# Altium PCB 平衡小车主板PCB.PcbDoc
Units mm, origin at the board's own origin, x right, y up, seen from the top; angles counter-clockwise.
Board outline 71 x 49 mm, 4 copper layers (Top Layer, Layer 1, Layer 2, Bottom Layer), stack 0.603 mm thick; 86 components, 78 nets, 348 pads, 99 vias.
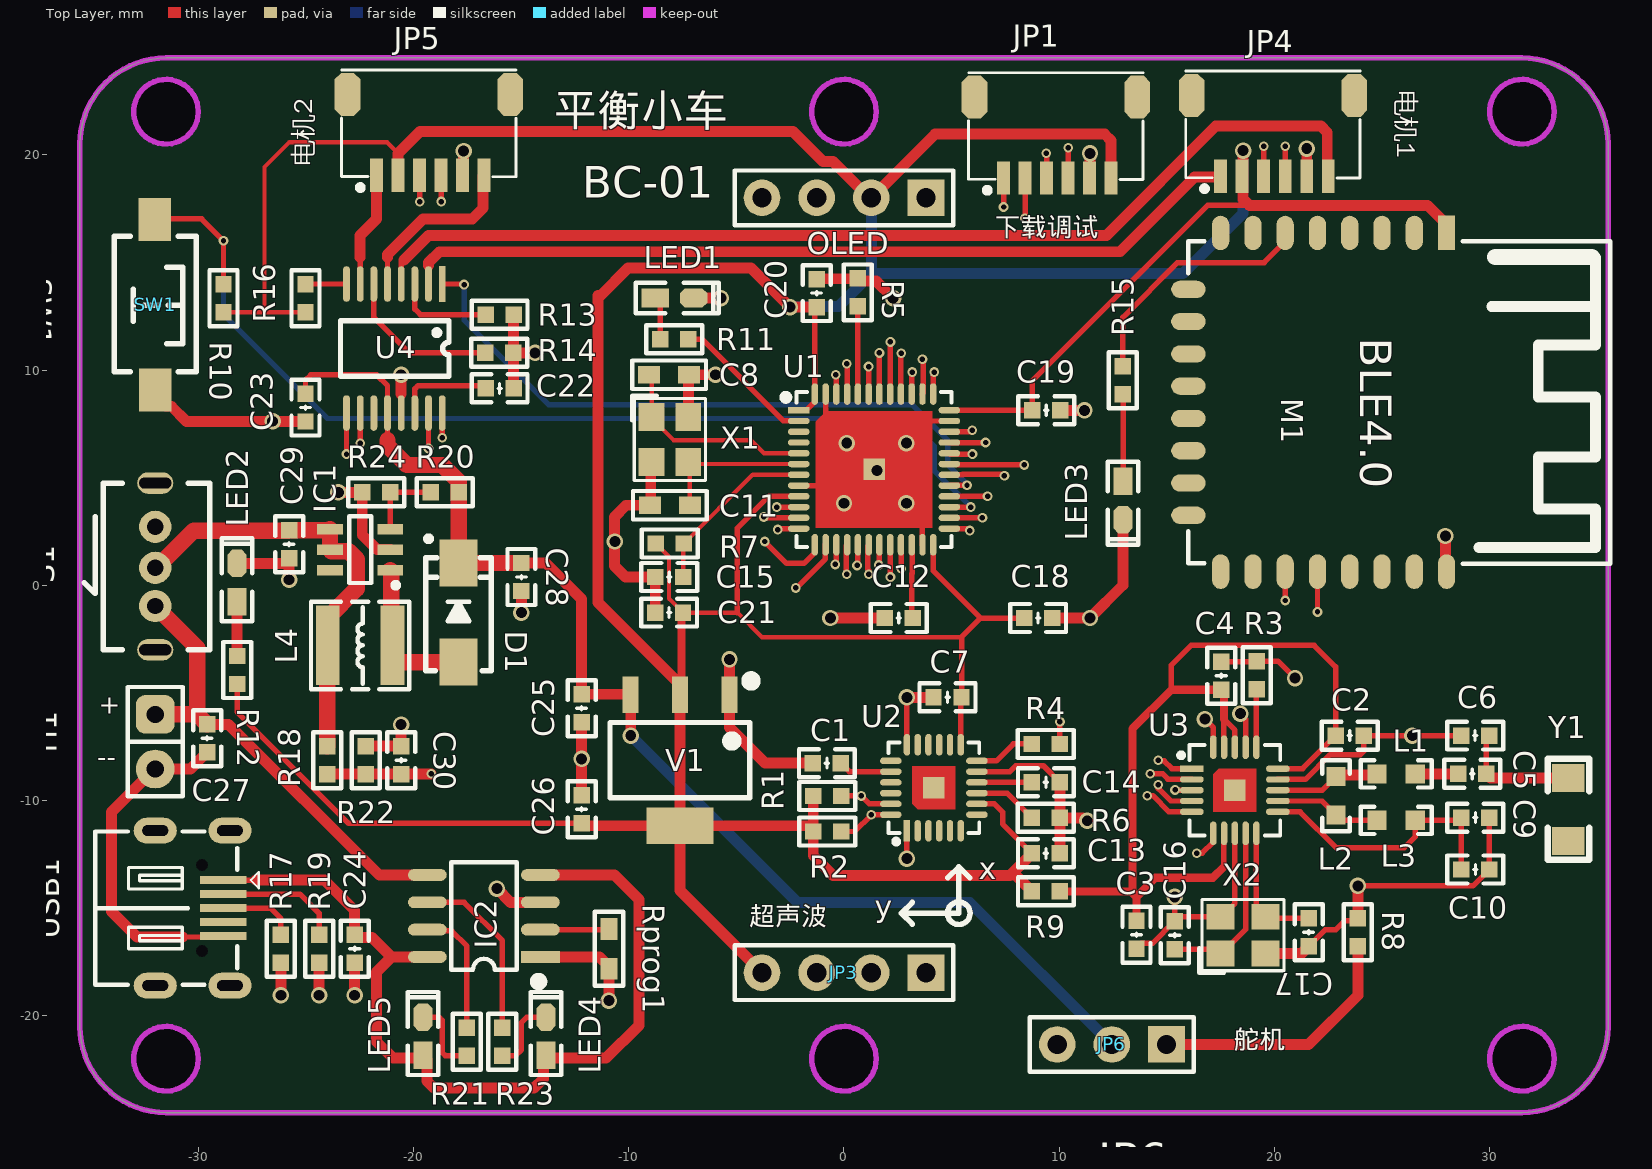
[diagram p0: Top Layer view]
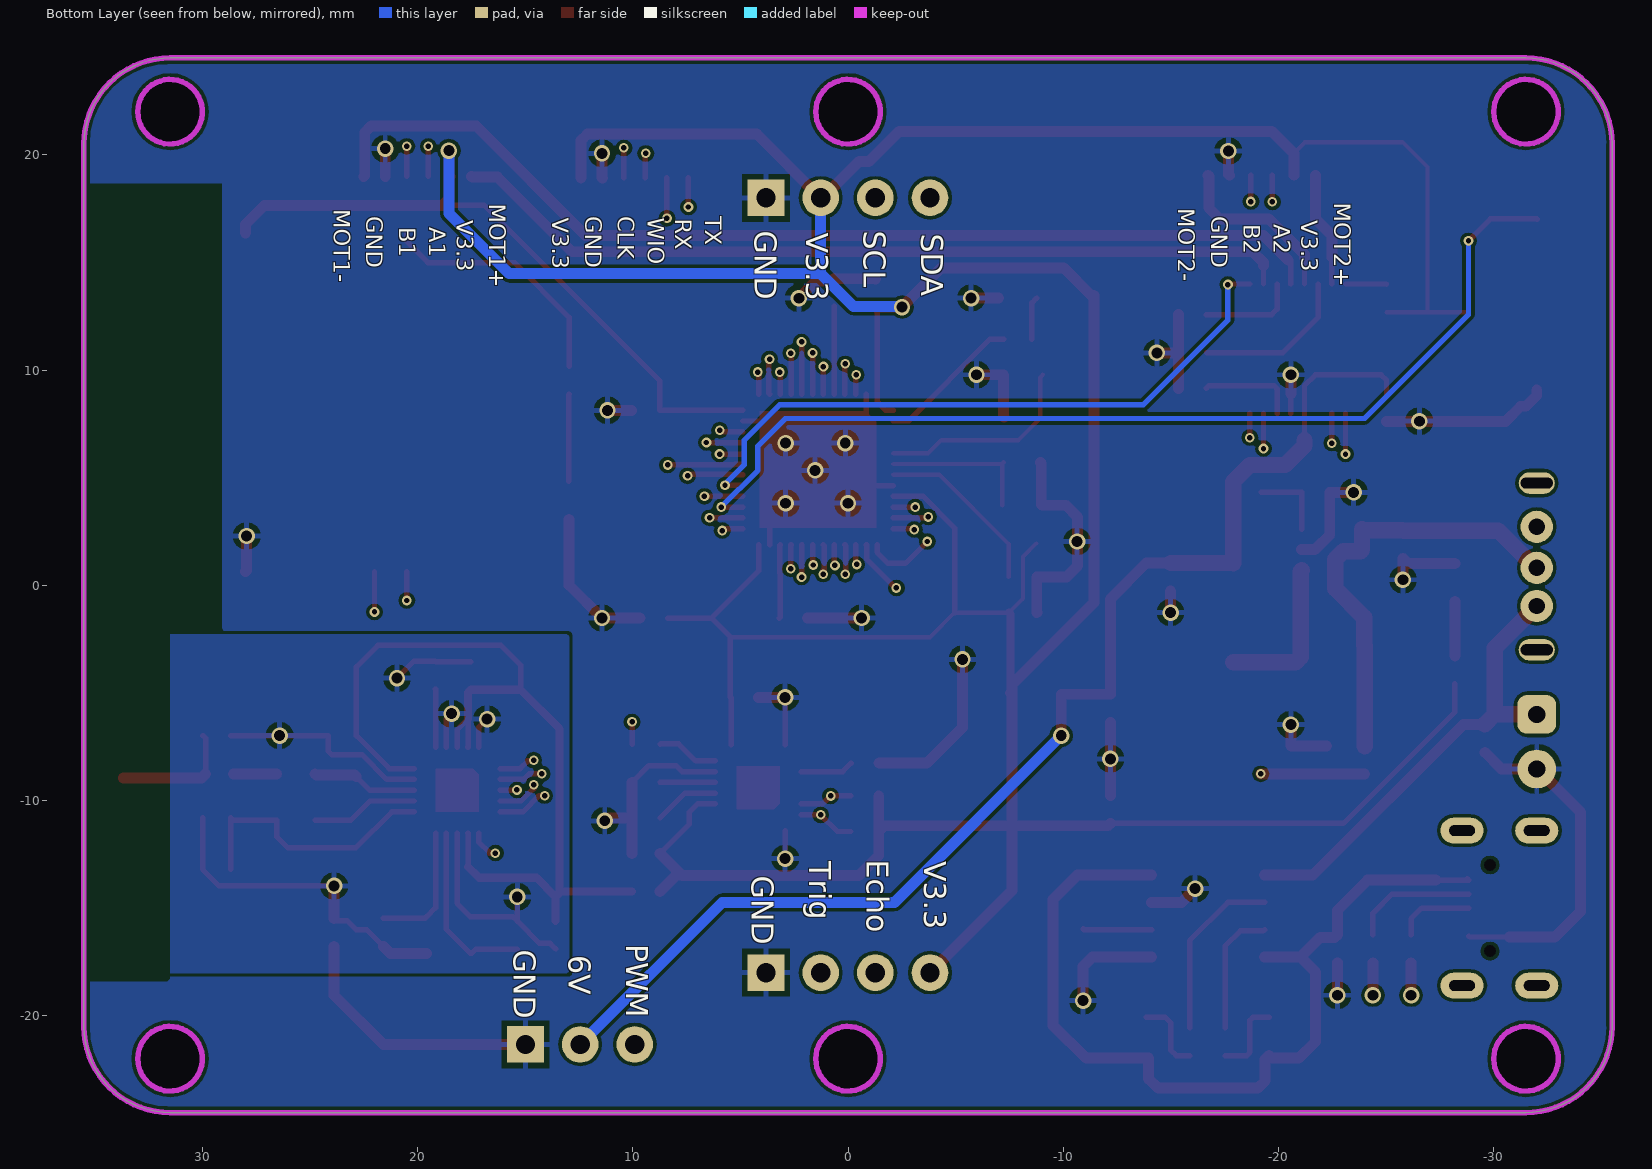
[diagram p1: Bottom Layer view, seen from below]
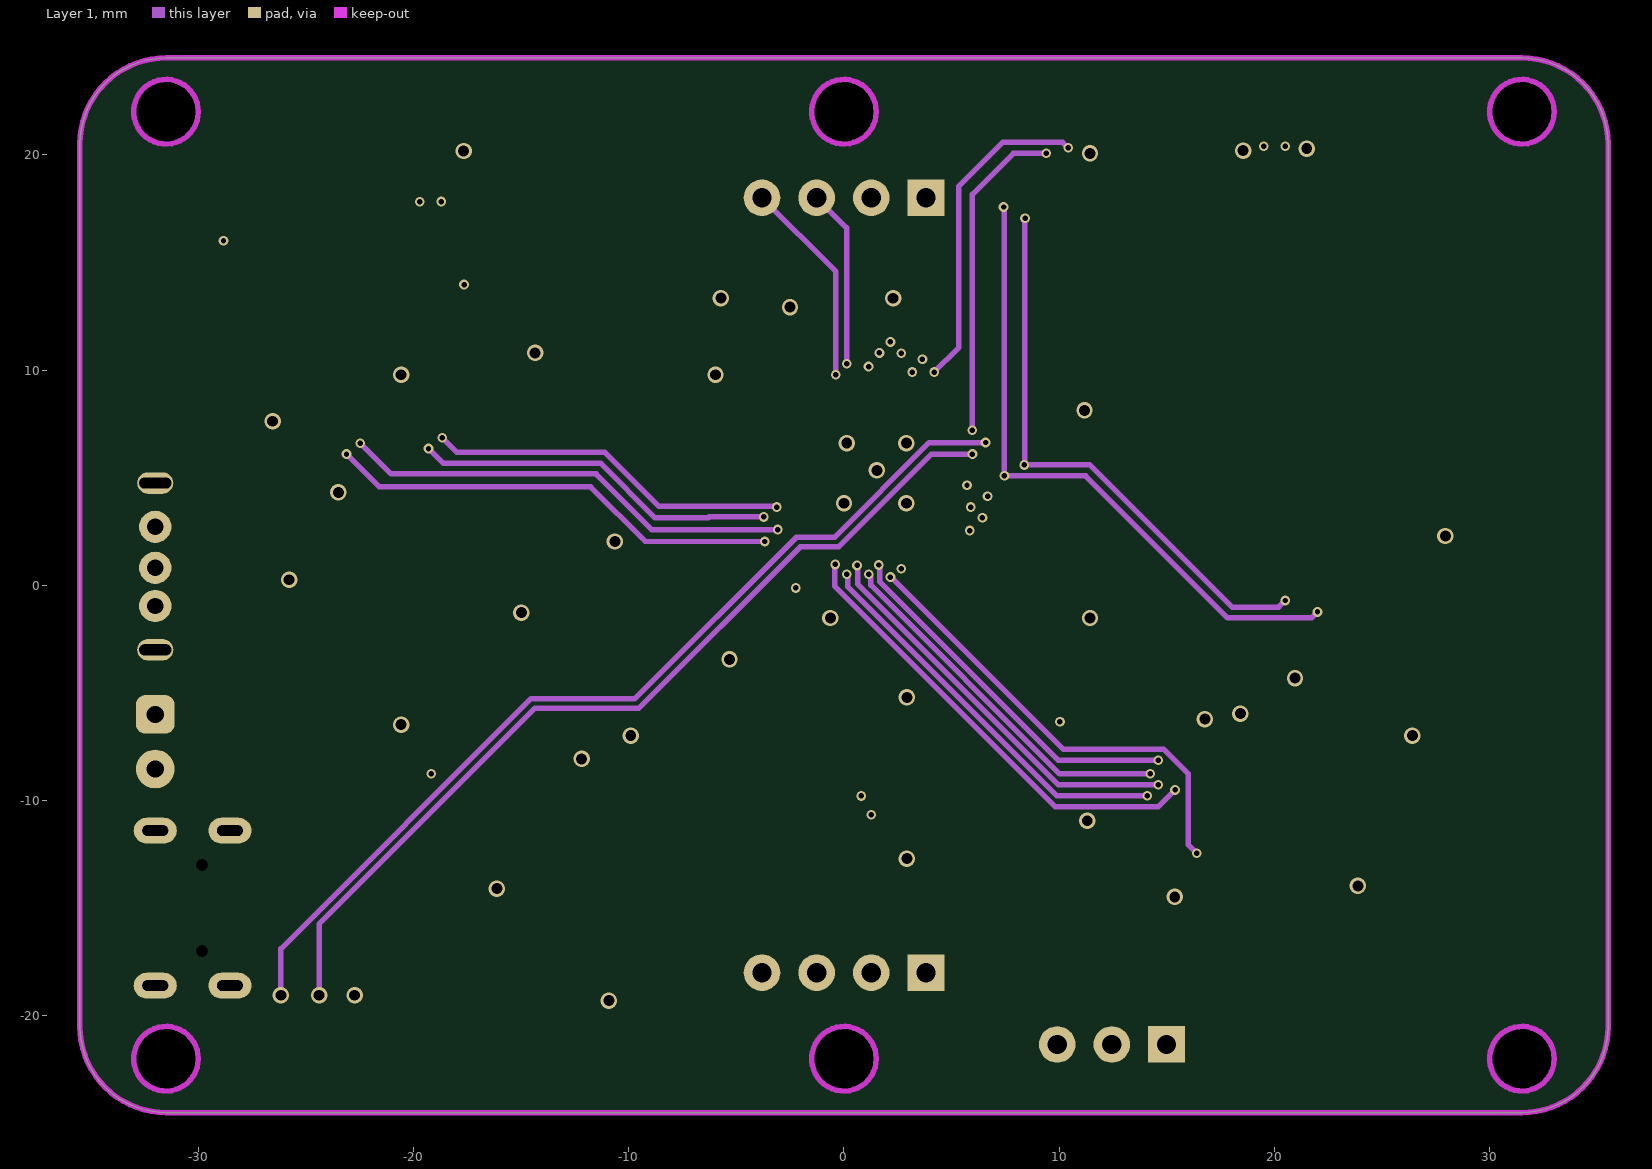
[diagram p2: Layer 1]
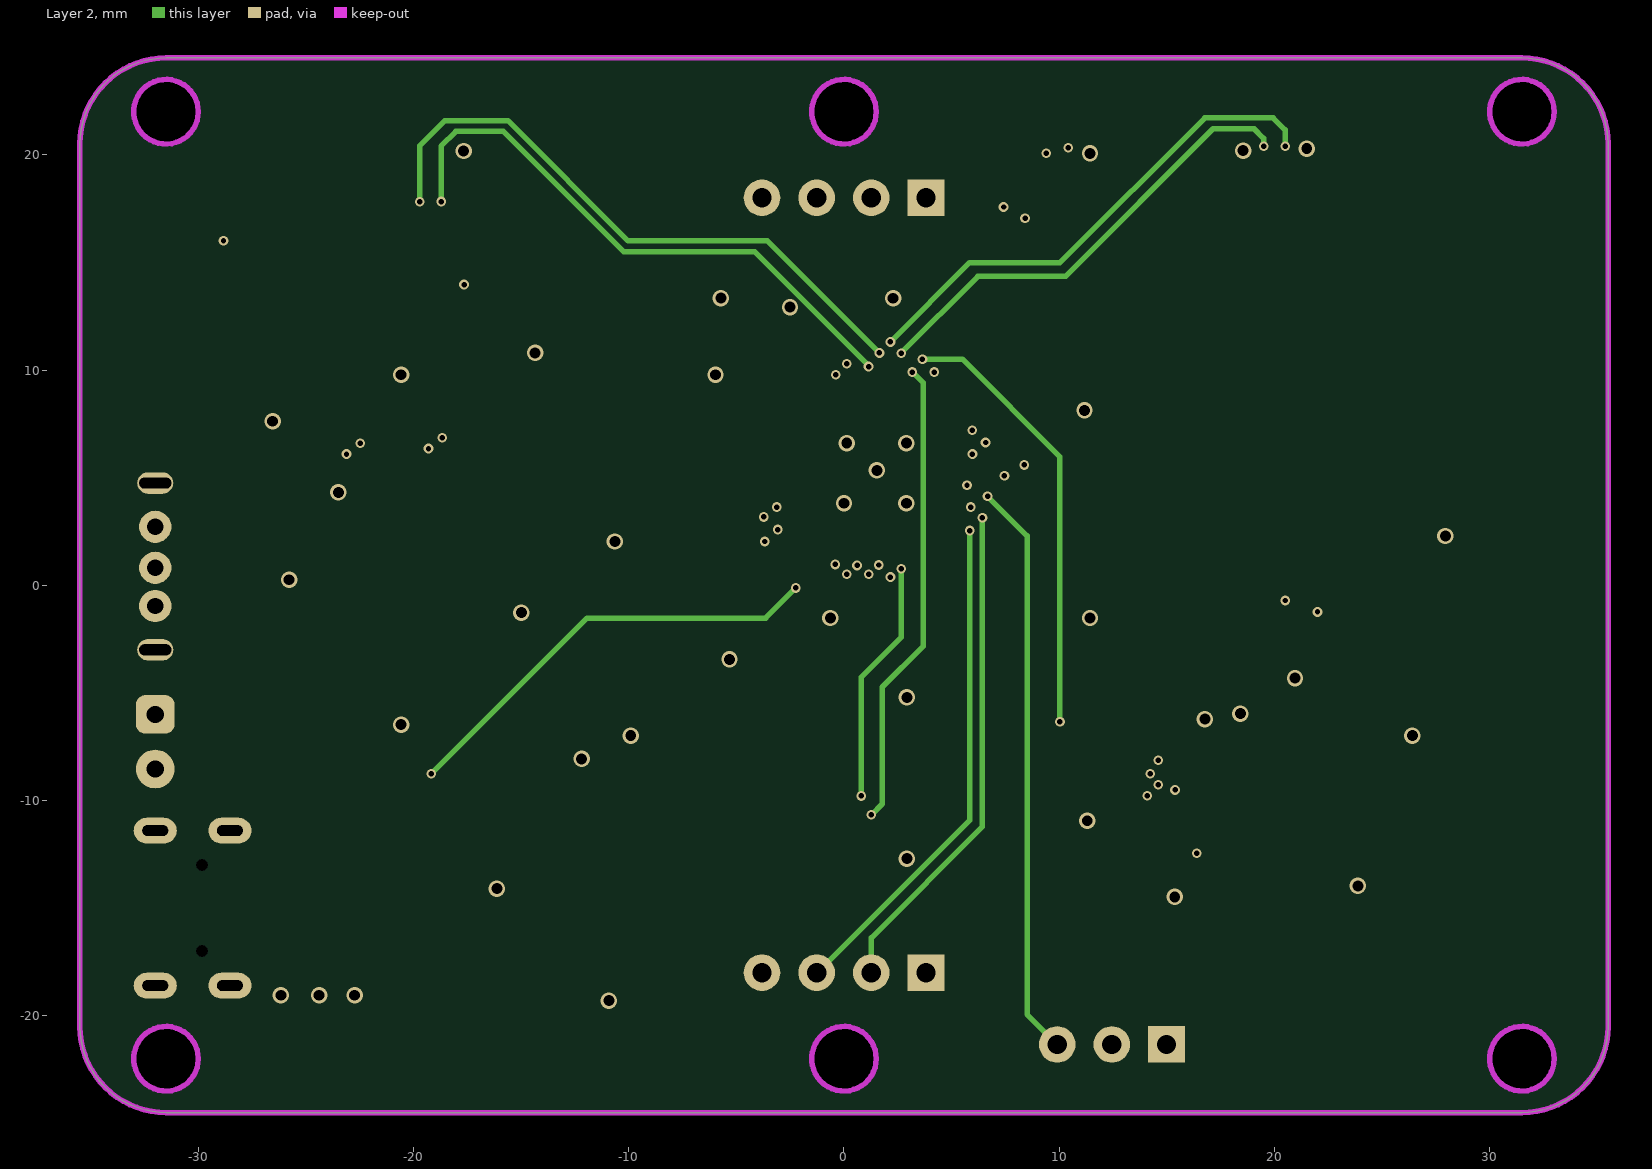
[diagram p3: Layer 2]

## Layer stack, top to bottom
Top Solder: solder mask 0.0102, Solder Resist, Dk 3.5
Top Layer: signal copper 0.0356
Dielectric 2: prepreg 0.0711, PP-006, Dk 4.1
Layer 1: signal copper 0.035
Dielectric 1: dielectric 0.32, FR-4, Dk 4.8
Layer 2: signal copper 0.035
Dielectric 3: prepreg 0.0711, PP-006, Dk 4.1
Bottom Layer: signal copper 0.0356
Bottom Solder: solder mask 0.0102, Solder Resist, Dk 3.5

## Board outline
-35.5,-20.513 ccw(c-31.5,-20.5) -31.487,-24.5 31.487,-24.5 ccw(c31.5,-20.5) 35.5,-20.513 35.5,20.513 ccw(c31.5,20.5) 31.487,24.5 -31.487,24.5 ccw(c-31.5,20.5) -35.5,20.513
cut-out: -33,22 ccw(c-31.5,22) -31.5,20.5 ccw(c-31.5,22) -30,22 ccw(c-31.5,22) -31.5,23.5 ccw(c-31.5,22)
cut-out: -1.5,22 ccw(c0,22) 0,20.5 ccw(c0,22) 1.5,22 ccw(c0,22) 0,23.5 ccw(c0,22)
cut-out: 30,22 ccw(c31.5,22) 31.5,20.5 ccw(c31.5,22) 33,22 ccw(c31.5,22) 31.5,23.5 ccw(c31.5,22)
cut-out: 30,-22 ccw(c31.5,-22) 31.5,-23.5 ccw(c31.5,-22) 33,-22 ccw(c31.5,-22) 31.5,-20.5 ccw(c31.5,-22)
cut-out: -1.5,-22 ccw(c0,-22) 0,-23.5 ccw(c0,-22) 1.5,-22 ccw(c0,-22) 0,-20.5 ccw(c0,-22)
cut-out: -33,-22 ccw(c-31.5,-22) -31.5,-23.5 ccw(c-31.5,-22) -30,-22 ccw(c-31.5,-22) -31.5,-20.5 ccw(c-31.5,-22)

## Design rules (kind name [scope] priority, off if disabled: settings)
Clearance [All] p1: gap=0.152 ignorepadtopadclearanceinfootprint=TRUE except(0: Arc-Hole Track-Hole SMDPad-Hole THPad-Hole Via-Hole Fill-Hole Poly-Hole Region-Hole Text-Hole)
MinimumSolderMaskSliver [All] p1: minsoldermaskwidth=0.025
PolygonConnect [All] p1: connectstyle=Relief reliefconductorwidth=0.254 reliefentries=4 polygonreliefangle="90 Angle" airgapwidth=0.254
RoutingVias [All] p1: holewidth=0.711 width=1.27 viastyle="Through Hole" minholewidth=0.254 minwidth=0.711 maxholewidth=1.27 maxwidth=2.54
SilkToSilkClearance [All] p1: silktosilkclearance=0.152
SilkToSolderMaskClearance [IsPad] p1: minsilkscreentomaskgap=0 clearancetoexposedcopper=TRUE
SolderMaskExpansion [All] p1: expansion=0.102 istentingtop=FALSE
Width [All] p1: maxlimit=2.54 minlimit=0.203 preferedwidth=0.254
27 further rules are at their usual default settings.

## Components (designator, comment, footprint, x,y, rotation, side; value= is the part's Value field where it differs from the comment)
C1 "2.2nF" "C 0603_L" -0.793,-8.267 r0 top
C2 "C_0603" "C 0603_L" 23.495,-6.985 r0 top value=4.7uF
C3 "C_0603" "C 0603_L" 13.589,-16.241 r270 top value=0.1uF
C4 "C_0603" "C 0603_L" 17.526,-4.206 r90 top value=1nF
C5 "C_0603" "C 0603_L" 29.195,-8.763 r0 top value=1.5pF
C6 "C_0603" "C 0603_L" 29.322,-6.985 r0 top value=1pF
C7 "0.1uF" "C 0603_L" 4.811,-5.207 r180 top
C8 "20pF" "R 0603_M" -8.128,9.779 r0 top
C9 "C_0603" "C 0603_L" 29.337,-10.795 r180 top value=2.2nF
C10 "C_0603" "C 0603_L" 29.337,-13.208 r180 top value=4.7pF
C11 "20pF" "R 0603_M" -8.089,3.717 r180 top
C12 "4.7uF" "C 0603_L" 2.54,-1.524 r180 top
C13 "10nF" "C 0603_L" 9.382,-12.458 r180 top
C14 "0.1uF" "C 0603_L" 9.382,-9.156 r180 top
C15 "104" "C 0603_L" -8.113,0.381 r0 top
C16 "C_0603" "C 0603_L" 15.367,-16.256 r270 top value=10pF
C17 "C_0603" "C 0603_L" 21.59,-16.129 r90 top value=10pF
C18 "104" "C 0603_L" 9.017,-1.524 r180 top
C19 "104" "C 0603_L" 9.398,8.128 r180 top
C20 "104" "C 0603_L" -1.27,13.574 r270 top
C21 "104" "C 0603_L" -8.128,-1.27 r0 top
C22 "2.2uF" "C 0603_L" -16.002,9.144 r180 top
C23 "10uF" "C 0603_L" -25.019,8.255 r270 top
C24 "10uF" "C 0603_L" -22.733,-16.891 r90 top
C25 "10uF" "C 0603_L" -12.192,-5.715 r90 top
C26 "10uF" "C 0603_L" -12.192,-10.414 r270 top
C27 "10uF" "C 0603_L" -29.591,-7.112 r90 top
C28 "104" "C 0603_L" -14.986,0.381 r90 top
C29 "104" "C 0603_L" -25.781,1.905 r90 top
C30 "104" "C 0603_L" -20.574,-8.128 r270 top
D1 "SS14" SMA -17.907,-1.27 r90 top
H1 "PAD2" PAD2-2.54 -32,-6 r270 top locked
IC1 "SX1308" SOT23-6N -22.479,1.651 r90 top
IC2 "TP4056" SOP8_N -16.73,-15.367 r180 top
JP1 "HDR-1X6" SH1.0-6P 7.414,18.923 r0 top
JP3 "HDR-1X4" HDR2.54-M-LI-4P 0,-18 r180 top
JP4 "HDR-1X6" SH1.0-6P 17.5,19 r0 top
JP5 "HDR-1X6" SH1.0-6P -21.717,19.05 r0 top
JP6 "HDR-1X3" HDR2.54-LI-3P 12.446,-21.336 r180 top
L1 "Inductor" "L 0603" 25.654,-8.763 r0 top value=3.9nH
L2 "Inductor" "L 0603" 22.86,-9.779 r90 top value=8.2nH
L3 "Inductor" "L 0603" 25.654,-10.922 r0 top value=2.7nH
L4 "4.7uH" NR4020 -22.479,-2.794 r180 top
LED1 "红色" "LED 0603R" -7.874,13.335 r0 top
LED2 "红色" "LED 0603R" -28.194,0.127 r90 top
LED3 "蓝色" "LED 0603B" 12.961,3.937 r270 top
LED4 "绿色" "LED 0603G" -13.843,-20.955 r90 top
LED5 "红色" "LED 0603R" -19.558,-20.955 r90 top
M1 "CC2541V2_6" CC2541V2_6 16,8.5 r270 top locked
OLED "HDR-1X4" HDR2.54-M-LI-4P 0,18 r180 top (schematic designator JP2)
R1 "4.7K" "R 0603_L" -0.778,-9.791 r180 top
R2 "4.7K" "R 0603_L" -0.778,-11.442 r180 top
R3 "R_0603" "R 0603_L" 19.177,-4.176 r90 top value=22K
R4 "0R" "R 0603_L" 9.367,-7.378 r0 top
R5 "10K" "R 0603_L" 0.635,13.604 r270 top
R6 "4.7K" "R 0603_L" 9.382,-10.807 r0 top
R7 "1K" "R 0603_L" -8.089,1.939 r180 top
R8 "R_0603" "R 0603_L" 23.876,-16.129 r90 top value=0R
R9 "R_0603" "R 0603_L" 9.383,-14.224 r0 top value=0R
R10 "10K" "R 0603_L" -28.829,13.335 r90 top
R11 "510R" "R 0603_L" -7.889,11.43 r0 top
R12 "510R" "R 0603_L" -28.194,-3.937 r270 top
R13 "1R" "R 0603_L" -16.002,12.573 r0 top
R14 "1R" "R 0603_L" -16.017,10.795 r0 top
R15 "510R" "R 0603_L" 12.954,9.525 r270 top
R16 "10K" "R 0603_L" -25.019,13.335 r90 top
R17 "1K" "R 0603_L" -26.162,-16.891 r270 top
R18 "10K" "R 0603_L" -24.003,-8.128 r90 top
R19 "1K" "R 0603_L" -24.384,-16.891 r270 top
R20 "18K" "R 0603_L" -18.542,4.318 r0 top
R21 "1K" "R 0603_L" -17.526,-21.209 r270 top
R22 "10K" "R 0603_L" -22.225,-8.128 r270 top
R23 "1K" "R 0603_L" -15.875,-21.209 r90 top
R24 "2K" "R 0603_L" -21.732,4.318 r0 top
Rprog1 "2K/600mA" "R 0603_M" -10.922,-16.891 r90 top
S1 "SS-12F23" SWITCH_PWR -32,-3 r180 top locked
SW1 "3x6x5" "TSW SMD-3*6*2.5" -32,13 r270 top locked
U1 "STM32F401CUU6" "QFN48 7X7_M" 1.397,5.381 r270 top locked
U2 "MPU6050" "QFN24 4x4_M" 4.175,-9.41 r0 top
U3 "Si24R1" "QFN20 4x4_M" 18.161,-9.525 r270 top
U4 "DRV8833" TSSOP-16 -18.669,13.995 r270 top
USB1 "USB-5P" USB-MICRO_D -32,-15 r270 top locked
V1 "AMS1117-3V3" SOT223_L -7.62,-8.128 r180 top
X1 "8M" "OSC 3225-4P" -8.089,6.765 r270 top
X2 "16M" "OSC 3225-4P" 18.542,-16.256 r0 top
Y1 "2450AT18B100" 1206 33.655,-10.414 r270 top

## Footprints (in the part's own frame and the unit in brackets; to place one, negate y for a bottom-side part, rotate by r counter-clockwise, add the part's x,y. Pads: shape width x height; smd on the part's side, far side on the other; paste and mask are expansions set on the pad)
1206 [mil]
  rect 51.18x60 smd: 1(-57.5,0) 2(57.5,0)
  silkscreen extent -93,-38 93,38
"C 0603_L" [mil] "无极性贴片电容                                       淘宝ID:黄晶宝石"
  rect 30x30 smd: 1(-25.59,0) 2(25.59,0)
  silkscreen extent -51,-26 51,26, body extent -31,-16 31,16, height 32
CC2541V2_6 [mm] "蓝牙4.0透传模块"
  rect 1.6x0.8 smd: 1(-7.87,12)
  oval 1.6x0.8 smd: 2(-7.87,10.5) 3(-7.87,9) 4(-7.87,7.5) 5(-7.87,6) 6(-7.87,4.5) 7(-7.87,3) 8(-7.87,1.5) 17(7.87,1.5) 18(7.87,3) 19(7.87,4.5) 20(7.87,6) 21(7.87,7.5) 22(7.87,9) 23(7.87,10.5) 24(7.87,12)
  oval 0.8x1.6 smd: 9(-5.25,0) 10(-3.75,0) 11(-2.25,0) 12(-0.75,0) 13(0.75,0) 14(2.25,0) 15(3.75,0) 16(5.25,0)
  silkscreen extent -7.48,0 7.5,19.6, body extent -7.48,-0.01 7.48,19.6, height 2.25
HDR2.54-LI-3P [mm] "排针，3脚"
  rect 1.7x1.7 hole 0.9: 1(-2.54,0)
  round 1.7 hole 0.9: 2(0,0) 3(2.54,0)
  silkscreen extent -3.81,-1.27 3.81,1.27, body extent -3.81,-1.27 3.81,1.27, height 8.5
HDR2.54-M-LI-4P [mm] "排母，4脚  淘宝ID:黄晶宝石   店铺网址:https://shop463601444.taobao.com"
  rect 1.7x1.7 hole 0.9: 1(-3.81,0)
  round 1.7 hole 0.9: 2(-1.27,0) 3(1.27,0) 4(3.81,0)
  silkscreen extent -5.08,-1.27 5.08,1.27, body extent -5.08,-1.27 5.08,1.27, height 8.5
"L 0603" [mil] "小功率贴片电感        淘宝ID:黄晶宝石"
  rect 35x35 smd: 1(-35,0) 2(35,0)
  silkscreen extent -65,-25 65,25, body extent -31,-16 31,16, height 31
"LED 0603B" [mil] "蓝色0603LED                             淘宝ID:黄晶宝石"
  rect 50x35 smd: 1(-35,0.26)
  oct 50x35 smd: 2(35,0.26)
  silkscreen extent -71,-28 81,28, body extent -31,-16 32,16, height 24
"LED 0603G" [mil] "绿色0603LED                                   淘宝ID:黄晶宝石"
  rect 50x35 smd: 1(-35,0.26)
  oct 50x35 smd: 2(35,0.26)
  silkscreen extent -71,-28 81,28, body extent -31,-16 32,16, height 18
"LED 0603R" [mil] "红色0603LED                                           淘宝ID:黄晶宝石"
  rect 50x35 smd: 1(-35,0.26)
  oct 50x35 smd: 2(35,0.26)
  silkscreen extent -71,-28 81,28, body extent -31,-16 31,16, height 18
NR4020 [mm] "4.0mm*4.0mm*2.0mm(长*宽*高）"
  rect 1.1x3.7 smd: 1(-1.5,0) 2(1.5,0)
  silkscreen extent -2.29,-2.03 2.29,2.03, body extent -2,-2 2,2, height 2.1
"OSC 3225-4P" [mm] "3.2*2.5*0.7mm(长宽高)                         淘宝ID:黄晶宝石"
  rect 1.3x1.2 smd: 1(-1.05,-0.85) 2(1.05,-0.85) 3(1.05,0.85) 4(-1.05,0.85)
  silkscreen extent -2.03,-1.75 1.91,1.65, body extent -1.6,-1.25 1.6,1.25, height 0.7
PAD2-2.54 [mm] "引线焊盘"
  rrect50% 1.8x1.8 hole 0.8: 1(0,0)
  round 1.8 hole 0.8: 2(2.54,0)
  silkscreen extent -1.27,-1.27 3.81,1.27
"QFN20 4x4_M" [mm] "20脚，长x宽x高：4x4x0.95mm，脚距：0.5mm"
  rect 0.3x1.1 smd: 1(-1,-2)
  oval 0.3x1.1 smd: 2(-0.5,-2) 3(0,-2) 4(0.5,-2) 5(1,-2) 11(1,2) 12(0.5,2) 13(0,2) 14(-0.5,2) 15(-1,2)
  oval 1.1x0.3 smd: 6(2,-1) 7(2,-0.5) 8(2,0) 9(2,0.5) 10(2,1) 16(-2,1) 17(-2,0.5) 18(-2,0) 19(-2,-0.5) 20(-2,-1)
  rect 1x1 smd: 21(0,0)
  Top Layer region: -1,1 1,1 1,-1 -0.75,-1 -1,-0.75
  silkscreen extent -2.11,-2.6 2.11,2.11, body extent -2.01,-2.01 2.01,2.01, height 0.95
"QFN24 4x4_M" [mm] "24脚，长x宽x高：4x4x1mm，脚距：0.5mm"
  rect 0.3x1 smd: 1(-1.25,-2)
  oval 0.3x1 smd: 2(-0.75,-2) 3(-0.25,-2) 4(0.25,-2) 5(0.75,-2) 6(1.25,-2) 13(1.25,2) 14(0.75,2) 15(0.25,2) 16(-0.25,2) 17(-0.75,2) 18(-1.25,2)
  oval 1x0.3 smd: 7(2,-1.25) 8(2,-0.75) 9(2,-0.25) 10(2,0.25) 11(2,0.75) 12(2,1.25) 19(-2,1.25) 20(-2,0.75) 21(-2,0.25) 22(-2,-0.25) 23(-2,-0.75) 24(-2,-1.25)
  rect 1x1 smd: 25(0,0)
  Top Layer region: -1,1 1,1 1,-1 -0.75,-1 -1,-0.75
  silkscreen extent -2.11,-2.6 2.11,2.11, body extent -2.01,-2.01 2.01,2.01, height 0.95
"QFN48 7X7_M" [mm] "48脚，长x宽x高：7x7x1mm，脚距：0.5mm"
  rect 0.3x1 smd: 1(-2.75,-3.5)
  oval 0.3x1 smd: 2(-2.25,-3.5) 3(-1.75,-3.5) 4(-1.25,-3.5) 5(-0.75,-3.5) 6(-0.25,-3.5) 7(0.25,-3.5) 8(0.75,-3.5) 9(1.25,-3.5) 10(1.75,-3.5) 11(2.25,-3.5) 12(2.75,-3.5) 25(2.75,3.5) 26(2.25,3.5) 27(1.75,3.5) 28(1.25,3.5) 29(0.75,3.5) 30(0.25,3.5) 31(-0.25,3.5) 32(-0.75,3.5) 33(-1.25,3.5) 34(-1.75,3.5) 35(-2.25,3.5) 36(-2.75,3.5)
  oval 1x0.3 smd: 13(3.5,-2.75) 14(3.5,-2.25) 15(3.5,-1.75) 16(3.5,-1.25) 17(3.5,-0.75) 18(3.5,-0.25) 19(3.5,0.25) 20(3.5,0.75) 21(3.5,1.25) 22(3.5,1.75) 23(3.5,2.25) 24(3.5,2.75) 37(-3.5,2.75) 38(-3.5,2.25) 39(-3.5,1.75) 40(-3.5,1.25) 41(-3.5,0.75) 42(-3.5,0.25) 43(-3.5,-0.25) 44(-3.5,-0.75) 45(-3.5,-1.25) 46(-3.5,-1.75) 47(-3.5,-2.25) 48(-3.5,-2.75)
  rect 1x1 smd mask+0.051: 49(0,0)
  Top Layer region: -2.7,2.7 2.7,2.7 2.7,-2.7 -2.214,-2.7 -2.7,-2.214